# Altium PCB ESC_type_6_000.PcbDoc (part 1 of 3) (continued)
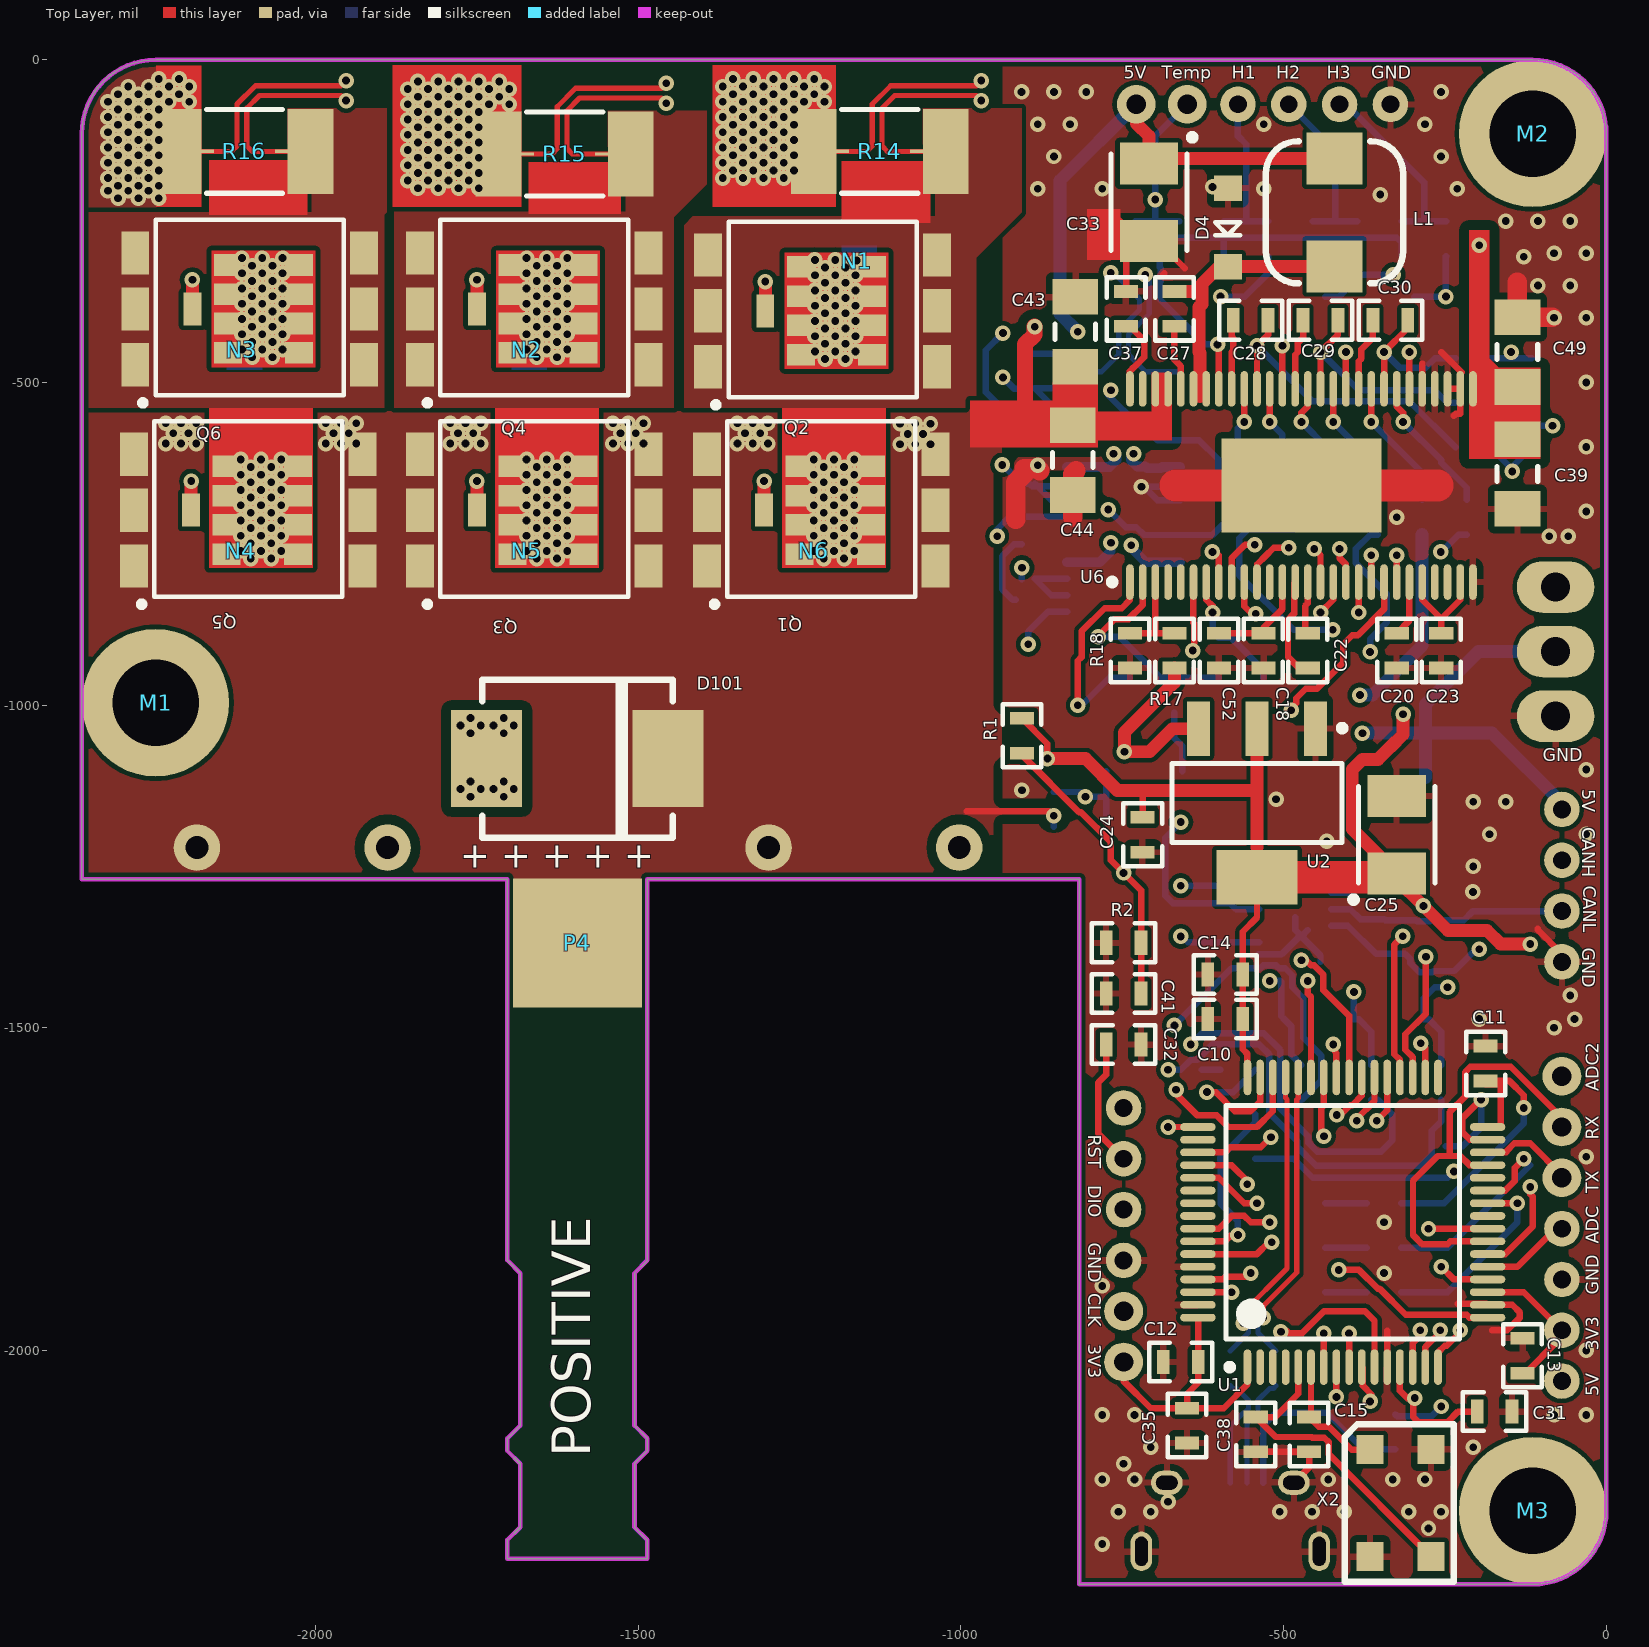
[diagram p0: Top Layer view]
## Design rules (kind name [scope] priority, off if disabled: settings)
Clearance Clearance_3 [InNet('H1_VS') or InNet('H2_VS') or InNet('H3_VS') vs InNet('VBATT')] p1: gap=10 ignorepadtopadclearanceinfootprint=FALSE except(0: Arc-Hole Track-Hole SMDPad-Hole THPad-Hole Via-Hole Fill-Hole Poly-Hole Region-Hole Text-Hole)
Clearance Clearance_2 [InNet('GND') vs InNet('VBATT')] p2: gap=15 ignorepadtopadclearanceinfootprint=FALSE except(0: Arc-Hole Track-Hole SMDPad-Hole THPad-Hole Via-Hole Fill-Hole Poly-Hole Region-Hole Text-Hole)
Clearance Clearance_1 [OnLayer('Keep-Out Layer') vs HasFootprint('PAD1')] p3: gap=0 ignorepadtopadclearanceinfootprint=FALSE
Clearance [All] p4: gap=7 ignorepadtopadclearanceinfootprint=FALSE except(0: Arc-Hole Track-Hole SMDPad-Hole THPad-Hole Via-Hole Fill-Hole Poly-Hole Region-Hole Text-Hole)
ComponentClearance [All] p1: gap=1 collisioncheckmode=3 verticalgap=1 showdistances=TRUE
DiffPairsRouting [All] p1: maxlimit=10 minlimit=7 mostfreqgap=7 toplayer_minwidth=8 toplayer_maxwidth=15 toplayer_prefwidth=8 midlayer1_minwidth=8 midlayer1_maxwidth=15 midlayer1_prefwidth=8 midlayer2_minwidth=8 midlayer2_maxwidth=15 midlayer2_prefwidth=8 bottomlayer_minwidth=8 bottomlayer_maxwidth=15 bottomlayer_prefwidth=8 maxuncoupledlength=500
HoleSize [All] p1: absolutevalues=TRUE maxlimit=300 minlimit=1 maxpercent=80.000 minpercent=20.000
HoleToHoleClearance [All] p1: gap=7 allowstackedmicrovias=TRUE
MinimumSolderMaskSliver [All] p1: minsoldermaskwidth=0.5
PolygonConnect PolygonConnect_1 [(HasFootprint('WSLP2726') OR HasFootprint('PAD1') OR HasFootprint('ALU CAP 16DIA 25HIGH') OR HasFootprint('RADIAL DIODE D5.3 L9.5'))  or isvia or HasFootprint('DSOP FET')         or HasFootprint('NET TIE 12MM VIA')] p1: connectstyle=Direct reliefconductorwidth=10 reliefentries=4 polygonreliefangle="90 Angle" airgapwidth=10
PolygonConnect "relief connection" [InNet('GND')] p2: connectstyle=Relief reliefconductorwidth=10 reliefentries=4 polygonreliefangle="90 Angle" airgapwidth=10
PolygonConnect [all or HasFootprintPad('SOP127P600-8N' ,57) or (InNamedPolygon('GND Source')) or isvia or HasFootprint('DIRECTFET_1')] p3: connectstyle=Direct reliefconductorwidth=10 reliefentries=4 polygonreliefangle="90 Angle" airgapwidth=10
RoutingVias [All] p1: holewidth=28 width=50 viastyle="Through Hole" minholewidth=12 minwidth=24 maxholewidth=28 maxwidth=50
ShortCircuit ShortCircuit_1 [All vs InNet('H2_VS') And OnLayer('Bottom Layer')] p2: allowed=TRUE
SilkToSilkClearance [All] p1: silktosilkclearance=0
SilkToSolderMaskClearance [IsPad] p1: minsilkscreentomaskgap=0 clearancetoexposedcopper=TRUE
SolderMaskExpansion [All] p1: expansion=4
Width [All] p1: maxlimit=50 minlimit=10 preferedwidth=20
23 further rules are at their usual default settings.

## Classes and differential pairs
component class Sheet1: C2 C3 C100 C101 D1 D2 D3 D101 K1 M1 M2 M3 P1 P3 P4 P5 P101 R3 R4 R5 R6 R22 R37 R38 R103 R104 X1B
component class "Power Mosfet": C1 C8 C9 C26 C34 C36 C102 C103 C104 C105 C106 C107 C? N1 N2 N3 P6 P7 P9 Q1 Q2 Q3 Q4 Q5 Q6 R14 R15 R16 R25 R28 R29 R30 R31 R34 R35 R42 R43 U3 U4 U5 U?
component class "NTC temp sensor": C41 R1 R2
component class "MOSFET DRIVER": C18 C19 C20 C21 C22 C23 C24 C25 C27 C28 C29 C30 C33 C37 C39 C43 C44 C49 C52 D4 D5 L1 R17 R18 R19 R20 R21 R23 R24 R26 R27 R32 R33 U2 U6
component class MCU: C10 C11 C12 C13 C14 C15 C16 C17 C31 C32 C35 C38 P2 U1 X2
component class "Hall Filter": C4 C5 C6 C7 R7 R8 R9 R10 R11 R12 R13
component class "CAN Bus": C401 C402 R36 U401
differential pair USB: +USB_P -USB_N
differential pair USB_D: +USB_D_P -USB_D_N
differential pair SH_A: +SH_A_P -SH_A_N
differential pair SH_B: +SH_B_P -SH_B_N
differential pair SH_C: +SH_C_P -SH_C_N

## Components (designator, comment, footprint, x,y, rotation, side; value= is the part's Value field where it differs from the comment)
C1 "CAP" "SMD-0603 Capacitor" -472.44,-1486.22 r180 bottom value="4.7nF, 50V"
C2 "Voltage important" "SMD-0603 Capacitor" -748.02,-1102.37 r0 bottom value="100nF, 50V"
C3 "Voltage important" "SMD-0603 Capacitor" -570.87,-1633.86 r0 bottom value="100nF, 50V"
C4 "CAP" "SMD-0603 Capacitor" -661.42,-277 r90 bottom value="4.7nF, 50V"
C5 "CAP" "SMD-0603 Capacitor" -324.8,-366.7 r0 bottom value="4.7nF, 50V"
C6 "CAP" "SMD-0603 Capacitor" -462.6,-366.7 r0 bottom value="4.7nF, 50V"
C7 "CAP" "SMD-0603 Capacitor" -600.39,-366.7 r0 bottom value="4.7nF, 50V"
C8 "CAP" "SMD-0603 Capacitor" -255.91,-1486.22 r180 bottom value="4.7nF, 50V"
C9 "CAP" "SMD-0603 Capacitor" -364.17,-1486.22 r180 bottom value="4.7nF, 50V"
C10 "Voltage important" "SMD-0603 Capacitor" -590.55,-1486.22 r0 top value="2.2uF, 16V"
C11 "Voltage important" "SMD-0603 Capacitor" -187.01,-1555.12 r270 top value="2.2uF, 16V"
C12 "Voltage important" "SMD-0603 Capacitor" -659.45,-2017.72 r0 top value="2.2uF, 16V"
C13 "Voltage important" "SMD-0603 Capacitor" -129.92,-2007.87 r270 top value="2.2uF, 16V"
C14 "Voltage important" "SMD-0603 Capacitor" -590.55,-1417.32 r0 top value="2.2uF, 16V"
C15 "CAP" "SMD-0603 Capacitor" -460.63,-2129.92 r90 top value="15pF, 100V"
C16 "Voltage important" "SMD-0603 Capacitor" -275.59,-1683.07 r0 bottom value="2.2uF, 16V"
C17 "Voltage important" "SMD-0603 Capacitor" -570.87,-1564.96 r0 bottom value="2.2uF, 16V"
C18 "CAP" "SMD-0603 Capacitor" -531.5,-915.35 r270 top value="4.7uF, 16V"
C19 "CAP" "SMD-0603 Capacitor" -600.39,-984.25 r90 bottom value="120pF, 50V"
C20 "CAP" "SMD-0603 Capacitor" -324.8,-915.35 r90 top value="4.7uF, 16V"
C21 "CAP" "SMD-0603 Capacitor" -629.92,-1102.36 r180 bottom value="6.8nF, 50V"
C22 "CAP" "SMD-0603 Capacitor" -462.6,-915.35 r90 top value="22nF, 50V"
C23 "Voltage important" "SMD-0603 Capacitor" -255.91,-915.35 r90 top value="2.2uF, 16V"
C24 "Voltage important" "SMD-0603 Capacitor" -718.5,-1200.79 r90 top value="2.2uF, 16V"
C25 "Voltage important" "TANT B" -324.8,-1200.79 r90 top value="100uF, 6.3V"
C26 "Voltage important" "SMD-0603 Capacitor" -905.51,-629.92 r270 bottom value="2.2uF, 16V"
C27 "Voltage important" "SMD-0603 Capacitor" -669.29,-385.83 r90 top value="100nF, 50V"
C28 "Voltage important" "SMD-0603 Capacitor" -551.18,-403.54 r0 top value=220nF,25V
C29 "Voltage important" "SMD-0603 Capacitor" -442.91,-403.54 r0 top value=220nF,25V
C30 "Voltage important" "SMD-0603 Capacitor" -334.65,-403.54 r0 top value=220nF,25V
C31 "Voltage important" "SMD-0603 Capacitor" -173.23,-2094.49 r180 top value="2.2uF, 16V"
C32 "Voltage important" "SMD-0603 Capacitor" -748.03,-1525.59 r180 top value="100nF, 50V"
C33 "Voltage important" "TANT B" -708.66,-220.47 r270 top value="100uF, 6.3V"
C34 "Voltage important" "SMD-0603 Capacitor" -905.51,-482.28 r270 bottom value="2.2uF, 16V"
C35 "Voltage important" "SMD-0603 Capacitor" -649.61,-2116.14 r90 top value="2.2uF, 16V"
C36 "Voltage important" "SMD-0603 Capacitor" -905.51,-777.56 r270 bottom value="2.2uF, 16V"
C37 "CAP" "SMD-0603 Capacitor" -744.09,-385.83 r270 top value="22nF, 50V"
C38 "CAP" "SMD-0603 Capacitor" -543.31,-2129.92 r270 top value="15pF, 100V"
C39 "CAP" "SMD-1206 Capacitor" -137.8,-641.73 r270 top value="4.7uF, 100V"
C41 "Voltage important" "SMD-0603 Capacitor" -748.03,-1446.85 r0 top value="2.2uF, 16V"
C43 "CAP" "SMD-1206 Capacitor" -822.83,-421.26 r270 top value="4.7uF, 100V"
C44 "CAP" "SMD-1206 Capacitor" -826.77,-620.08 r90 top value="4.7uF, 100V"
C49 "CAP" "SMD-1206 Capacitor" -137.8,-452.76 r90 top value="4.7uF, 100V"
C52 "Voltage important" "SMD-0603 Capacitor" -600.39,-915.35 r90 top value="2.2uF, 16V"
C100 "CAP_POL" "ALU CAP 16DIA 25HIGH" -1150.39,-1220.47 r0 bottom value="680uF, 63V"
C101 "CAP_POL" "ALU CAP 16DIA 25HIGH" -2036.22,-1220.47 r0 bottom value="680uF, 63V"
C102 "CAP" "SMD-1206 Capacitor" -1070.87,-524.61 r90 bottom value="4.7uF, 100V"
C103 "CAP" "SMD-1206 Capacitor" -2208.66,-523.62 r90 bottom value="4.7uF, 100V"
C104 "CAP" "SMD-1206 Capacitor" -1515.75,-523.62 r270 bottom value="4.7uF, 100V"
C105 "CAP" "SMD-1206 Capacitor" -1322.83,-523.62 r270 bottom value="4.7uF, 100V"
C106 "CAP" "SMD-1206 Capacitor" -1767.72,-523.62 r90 bottom value="4.7uF, 100V"
C107 "CAP" "SMD-1206 Capacitor" -1960.63,-523.62 r90 bottom value="4.7uF, 100V"
C401 "Voltage important" "SMD-0603 Capacitor" -620.08,-1279.53 r270 bottom value="2.2uF, 16V"
C402 "Voltage important" "SMD-0603 Capacitor" -344.49,-1250 r270 bottom value="2.2uF, 16V"
D1 "LED_GREEN" "SMD-0603 LED GREEN" -462.6,-1909.46 r180 bottom
D2 "LED_RED" "SMD-0603 LED RED" -462.6,-1840.56 r180 bottom
D3 "LED_BLUE" "SMD-0603 LED BLUE" -462.6,-1771.66 r180 bottom
D4 "Voltage and current important" SOD-123W -586.61,-259.84 r90 top
D5 "D_TVS" DO-214AC -354.33,-1112.2 r180 bottom value=5V
D101 "D_TVS_1" SMC-403-03 -1594.49,-1082.68 r180 top value=51V
K1 "-" "HEADER 3 PIN" -78.74,-816.93 r270 bottom
L1 "COIL" HCM0503 -421.26,-236.22 r90 top value=22µH
M1 "M3 Socket head Mounting Point" "M3 Socket head" -2248.03,-996.06 r0 top value=M3
M2 "M3 Socket head Mounting Point" "M3 Socket head" -114.17,-114.17 r0 top value=M3
M3 "M3 Socket head Mounting Point" "M3 Socket head" -114.17,-2248.03 r0 top value=M3
N1 "-" "NET TIE 12MM VIA" -1161.42,-311.02 r0 top net-tie
N2 "-" "NET TIE 12MM VIA" -1673.23,-448.82 r0 top net-tie
N3 "-" "NET TIE 12MM VIA" -2114.17,-448.82 r0 top net-tie
N4 "-" "NET TIE 12MM VIA" -2116.14,-760.83 r0 top net-tie
N5 "-" "NET TIE 12MM VIA" -1673.23,-760.83 r0 top net-tie
N6 "-" "NET TIE 12MM VIA" -1228.35,-760.83 r0 top net-tie
P1 "B6B-PH-K-S(LF)(SN)" "JST PH TH VERT 6" -334.64,-68.89 r0 bottom value="JST PH 6 PIN"
P2 "#NAME?" "JST PH TH VERT 6" -748.03,-1624.02 r90 bottom value="JST PH 6 PIN"
P3 "B7B-PH-K-S(LF)(SN)" "JST PH TH VERT 7" -68.9,-2047.24 r270 bottom value="JST PH 4 PIN"
P4 "-" PAD1 -1594.49,-1368.11 r90 top
P5 "-" PAD1 -1594.49,-1368.11 r90 bottom
P6 "-" PAD1 -2145.67,-108.27 r270 bottom
P7 "-" PAD1 -1653.54,-108.27 r180 bottom
P9 "-" PAD1 -1161.42,-108.27 r270 bottom
P101 "B4B-PH-K-S(LF)(SN)" "JST PH TH VERT 4" -68.9,-1397.64 r270 bottom value="JST PH 4 PIN"
Q1 "MOSFET_N" DIRECTFET_1 -1216.54,-697.83 r0 top
Q2 "MOSFET_N" DIRECTFET_1 -1214.57,-388.78 r0 top
Q3 "MOSFET_N" DIRECTFET_1 -1661.42,-697.83 r0 top
Q4 "MOSFET_N" DIRECTFET_1 -1661.42,-385.83 r0 top
Q5 "MOSFET_N" DIRECTFET_1 -2104.33,-697.83 r0 top
Q6 "MOSFET_N" DIRECTFET_1 -2102.36,-385.83 r0 top
R1 "10K" "SMD-0603 Resistor" -905.51,-1047.24 r90 top
R2 "10k" "SMD-0603 Resistor" -748.03,-1368.11 r0 top
R3 "39k" "SMD-0603 Resistor" -856.3,-1161.42 r270 bottom
R4 "2.2k" "SMD-0603 Resistor" -748.02,-1181.11 r180 bottom
R5 "2.2k" "SMD-0603 Resistor" -570.87,-1702.76 r180 bottom
R6 "0" "SMD-0603 Resistor" -326.77,-2125.98 r90 bottom
R7 "10k" "SMD-0603 Resistor" -730.32,-277 r270 bottom
R8 "10k" "SMD-0603 Resistor" -523.62,-277 r90 bottom
R9 "10k" "SMD-0603 Resistor" -385.83,-277 r90 bottom
R10 "10k" "SMD-0603 Resistor" -248.03,-277 r90 bottom
R11 "2.2k" "SMD-0603 Resistor" -316.93,-277 r270 bottom
R12 "2.2k" "SMD-0603 Resistor" -454.72,-277 r270 bottom
R13 "2.2k" "SMD-0603 Resistor" -592.52,-277 r270 bottom
R14 "0.5m" "2512 SHUNT" -1125.98,-141.73 r180 top
R15 "0.5m" "2512 SHUNT" -1614.17,-145.67 r180 top
R16 "0.5m" "2512 SHUNT" -2110.24,-141.73 r180 top
R17 "18k" "SMD-0603 Resistor" -669.29,-915.35 r270 top
R18 "3.3k" "SMD-0603 Resistor" -738.19,-915.35 r90 top
R19 "15k" "SMD-0603 Resistor" -669.29,-984.25 r90 bottom
R20 "10k" "SMD-0603 Resistor" -531.5,-984.25 r90 bottom
R21 "220k" "SMD-0603 Resistor" -738.19,-984.25 r90 bottom
R22 "2.2k" "SMD-0603 Resistor" -344.49,-1771.66 r0 bottom
R23 "39k" "SMD-0603 Resistor" -206.69,-600.39 r180 bottom
R24 "2.2k" "SMD-0603 Resistor" -88.58,-600.39 r0 bottom
R25 "100" "SMD-0603 Resistor" -472.44,-1584.65 r270 bottom
R26 "39k" "SMD-0603 Resistor" -206.69,-531.5 r180 bottom
R27 "2.2k" "SMD-0603 Resistor" -88.58,-531.5 r0 bottom
R28 "4R7" "SMD-0603 Resistor" -570.87,-649.61 r270 bottom
R29 "4R7" "SMD-0603 Resistor" -501.97,-649.61 r270 bottom
R30 "100" "SMD-0603 Resistor" -364.17,-1584.65 r270 bottom
R31 "100" "SMD-0603 Resistor" -255.91,-1584.65 r270 bottom
R32 "39k" "SMD-0603 Resistor" -206.69,-462.6 r180 bottom
R33 "2.2k" "SMD-0603 Resistor" -88.58,-462.6 r0 bottom
R34 "4R7" "SMD-0603 Resistor" -433.07,-649.61 r270 bottom
R35 "4R7" "SMD-0603 Resistor" -354.33,-708.66 r270 bottom
R36 "220" "SMD-0603 Resistor" -344.49,-1358.27 r270 bottom
R37 "100" "SMD-0603 Resistor" -344.49,-1909.46 r0 bottom
R38 "100" "SMD-0603 Resistor" -344.49,-1840.56 r0 bottom
R42 "4R7" "SMD-0603 Resistor" -285.43,-708.66 r270 bottom
R43 "4R7" "SMD-0603 Resistor" -216.54,-708.66 r270 bottom
R103 "22R0" "SMD-0603 Resistor" -511.81,-2027.56 r90 bottom
R104 "22R0" "SMD-0603 Resistor" -582.68,-2027.56 r90 bottom
U1 "STM32F" TSQFP50P1200X1200X160-64 -408.46,-1801.18 r90 top
U2 "3.3V" SOT230P700X180-4N -541.34,-1151.57 r270 top
U3 "AD8418" MSOP-8 -748.03,-669.29 r180 bottom value="Current Sense"
U4 "AD8418" MSOP-8 -748.03,-521.65 r180 bottom value="Current Sense"
U5 "AD8418" MSOP-8 -748.03,-816.93 r180 bottom value="Current Sense"
U6 "DRV8301" SOP127P600-8N -472.44,-659.45 r90 top locked value="MOSFET Driver"
U401 "CAN_TRANS_1" HVSON8 -482.28,-1328.74 r0 bottom value=Transceiver
X1B "MINI_USB" "USB-MICRO B RA SMT-TH" -582.68,-2311.02 r180 bottom value=Micro-USB
X2 "OSC_1" "4-SMD CRYSTAL 5X3.2mm" -318.9,-2236.22 r270 top value=8Mhz

## Footprints (in the part's own frame and the unit in brackets; to place one, negate y for a bottom-side part, rotate by r counter-clockwise, add the part's x,y. Pads: shape width x height; smd on the part's side, far side on the other; paste and mask are expansions set on the pad)
"4-SMD CRYSTAL 5X3.2mm" [mil]
  rect 45x42 smd: 1(-82.68,-47.24) 2(82.68,-47.24) 3(82.68,47.24) 4(-82.68,47.24)
  silkscreen extent -122,-87 122,83, body extent -98,-63 98,63, height 39
"2512 SHUNT" [mm] "Chip Resistor, 2-Leads, Body 6.3x3.1mm, IPC Medium Density"
  rect 1.8x3.35 smd: 1(-2.6,0) 2(2.6,0)
  rect 1x0.127 smd: 3(-1.7,0) 4(1.7,0)
  silkscreen extent -1.5,-1.65 1.5,1.65, body extent -3.25,-1.53 3.1,1.52, height 0.83
"ALU CAP 16DIA 25HIGH" [mil]
  round 72 hole 35.43: 1(-147.64,0) 2(147.64,0)
  body extent -325,-59 324,1122, height 363
DIRECTFET_1 [mm]
  rect 1.1x1.7 smd: D(-4.5,-2.2) D(-4.5,0) D(-4.5,2.2) D(4.5,-2.2) D(4.5,0) D(4.5,2.2)
  rect 0.7x1.3 smd: G(-2.25,0)
  rect 1.1x0.85 smd: S(-0.85,-1.725) S(-0.85,-0.575) S(-0.85,0.575) S(-0.85,1.725) S(1.95,-1.725) S(1.95,-0.575) S(1.95,0.575) S(1.95,1.725)
  silkscreen extent -4.3,-3.8 3.7,3.5, body extent -4.57,-3.55 4.58,3.55, height 0.83
DO-214AC [mm]
  rect 2x1.65 smd: 1(-1.875,0) 2(1.875,0)
  silkscreen extent -3.68,-1.2 -3.43,-0.95, body extent -2.5,-1.35 2.5,1.35, height 2.2
HCM0503 [mm]
  rect 2.05x2.2 smd: 1(-2.125,0) 2(2.125,0)
  silkscreen extent -2.8,-2.7 2.8,2.7, body extent -2.62,-2.55 2.62,2.55, height 3
"HEADER 3 PIN" [mil]
  oval 80x120 / inner round 80 / far side oval 80x120 hole 45: 1(0,0)
  oval 80x120 hole 45: 2(100,0) 3(200,0)
  silkscreen extent -50,-60 250,55, body extent -50,-60 250,55, height 335
HVSON8 [mm] "SON, 8-Leads, Body 3.00x3.00mm, Pitch 0.65mm, Thermal Pad 2.40x1.59mm, IPC Medium Density"
  rect 0.85x0.25 smd: 1(-1.42,0.975) 2(-1.42,0.325) 3(-1.42,-0.325) 4(-1.42,-0.975) 5(1.42,-0.975) 6(1.42,-0.325) 7(1.42,0.325) 8(1.42,0.975)
  rect 1.59x2.4 smd: 9(0,0)
  silkscreen extent -2.15,-1.7 1.7,1.75, body extent -1.55,-1.55 1.55,1.55, height 1
"JST PH TH VERT 4" [mm]
  round 1.4 hole 0.7: 1(0,0) 2(-2,0) 3(-4,0) 4(-6,0)
  silkscreen extent -8,-1.5 1.9,2.7, body extent -8.05,-1.7 1.95,2.8, height 6
"JST PH TH VERT 6" [mm]
  round 1.524 hole 0.762: 1(-10,0) 2(-8,0)
  round 1.4 hole 0.7: 3(-6,0) 4(-4,0) 5(-2,0) 6(0,0)
  silkscreen extent -12,-1.5 1.9,2.7, body extent -12.05,-1.7 1.95,2.8, height 6
"JST PH TH VERT 7" [mm]
  round 1.4 hole 0.7: 1(0,0) 2(-2,0) 3(-4,0) 4(-6,0)
  round 1.524 hole 0.762: 5(-8,0) 6(-10,0) 7(-12,0)
  silkscreen extent -14,-1.5 1.9,2.7, body extent -14.05,-1.7 1.95,2.8, height 6
"M3 Socket head" [mm]
  round 5.8 hole 3.4: 1(0,0)
MSOP-8 [mm]
  oval 1.35x0.4 smd: 1(-2.225,0.975) 2(-2.225,0.325) 3(-2.225,-0.325) 4(-2.225,-0.975) 5(2.225,-0.975) 6(2.225,-0.325) 7(2.225,0.325) 8(2.225,0.975)
  silkscreen extent -2.35,-1.55 1.15,1.9, body extent -2.45,-1.5 2.45,1.5, height 1.15
"NET TIE 12MM VIA" [mil]
  round 24 hole 12: 1(0,0)
  round 24 smd paste+0: 2(0,0)
PAD1 [mil]
  rect 200x200 smd: 1(0,0)
SMC-403-03 [mil]
  rect 110x150 smd: A(140.5,0) K(-140.5,0)
  silkscreen extent -148,-126 148,126, body extent -150,-122 150,122, height 110
"SMD-0603 Capacitor" [mm]
  rect 0.5x0.95 smd: 1(-0.686,0) 2(0.686,0)
  silkscreen extent -1.24,-0.76 1.24,0.76, body extent -0.8,-0.39 0.8,0.41, height 0.86
"SMD-0603 LED BLUE" [mm]
  rect 0.5x0.95 smd: 1(-0.686,0) 2(0.686,0)
  silkscreen extent -1.24,-0.76 1.24,0.76, body extent -0.81,-0.4 0.81,0.4, height 0.6
"SMD-0603 LED GREEN" [mm]
  rect 0.5x0.95 smd: 1(-0.686,0) 2(0.686,0)
  silkscreen extent -1.24,-0.76 1.24,0.76, body extent -0.81,-0.4 0.81,0.4, height 0.6
"SMD-0603 LED RED" [mm]
  rect 0.5x0.95 smd: 1(-0.686,0) 2(0.686,0)
  silkscreen extent -1.24,-0.76 1.24,0.76, body extent -0.81,-0.4 0.81,0.4, height 0.6
"SMD-0603 Resistor" [mm]
  rect 0.5x0.95 smd: 1(-0.686,0) 2(0.686,0)
  silkscreen extent -1.24,-0.76 1.24,0.76, body extent -0.85,-0.39 0.85,0.41, height 0.56
"SMD-1206 Capacitor" [mm]
  rect 1.4x1.8 smd: 1(-1.375,0) 2(1.375,0)
  silkscreen extent -0.3,-0.8 0.3,0.8, body extent -1.6,-0.8 1.6,0.8, height 1
SOD-123W [mm] "SODFL, 2-Leads, Body 1.70x3.50mm, IPC Medium Density"
  rect 1x1.1 smd: 1(-1.55,0) 2(1.55,0)
  silkscreen extent -0.3,-0.5 0.2,0.5, body extent -1.85,-0.8 1.85,0.8, height 1.25
SOP127P600-8N [mm]
  oval 1.4x0.3 smd: 1(-3.8,6.75) 2(-3.8,6.25) 3(-3.8,5.75) 4(-3.8,5.25) 5(-3.8,4.75) 6(-3.8,4.25) 7(-3.8,3.75) 8(-3.8,3.25) 9(-3.8,2.75) 10(-3.8,2.25) 11(-3.8,1.75) 12(-3.8,1.25) 13(-3.8,0.75) 14(-3.8,0.25) 15(-3.8,-0.25) 16(-3.8,-0.75) 17(-3.8,-1.25) 18(-3.8,-1.75) 19(-3.8,-2.25) 20(-3.8,-2.75) 21(-3.8,-3.25) 22(-3.8,-3.75) 23(-3.8,-4.25) 24(-3.8,-4.75) 25(-3.8,-5.25) 26(-3.8,-5.75) 27(-3.8,-6.25) 28(-3.8,-6.75) 29(3.8,-6.75) 30(3.8,-6.25) 31(3.8,-5.75) 32(3.8,-5.25) 33(3.8,-4.75) 34(3.8,-4.25) 35(3.8,-3.75) 36(3.8,-3.25) 37(3.8,-2.75) 38(3.8,-2.25) 39(3.8,-1.75) 40(3.8,-1.25) 41(3.8,-0.75) 42(3.8,-0.25) 43(3.8,0.25) 44(3.8,0.75) 45(3.8,1.25) 46(3.8,1.75) 47(3.8,2.25) 48(3.8,2.75) 49(3.8,3.25) 50(3.8,3.75) 51(3.8,4.25) 52(3.8,4.75) 53(3.8,5.25) 54(3.8,5.75) 55(3.8,6.25) 56(3.8,6.75)
  rect 3.7x6.3 smd: 57(0,0)
  silkscreen extent -3.92,7.32 -3.68,7.57, body extent -4.1,-7 4.1,7, height 1.1
SOT230P700X180-4N [mm] "SOT223, 4-Leads, Body 6.50x7.00mm (avg), Pitch 2.30mm, IPC Medium Density"
  rect 2.15x0.9 smd: 1(-2.925,2.3) 2(-2.925,0) 3(-2.925,-2.3)
  rect 2.15x3.2 smd: 2(2.925,0)
  silkscreen extent -3.07,-3.35 1.55,3.48, body extent -3.48,-3.25 3.48,3.25, height 1.68
"TANT B" [mm] "Molded Capacitor, 2-Leads, Body 3.50x2.85mm, IPC Medium Density"
  rect 1.65x2.3 smd: 1(-1.525,0) 2(1.525,0)
  silkscreen extent -2.67,-1.5 1.9,1.82, body extent -1.64,-1.32 2.05,1.5, height 2.1
TSQFP50P1200X1200X160-64 [mm] "TSQFP, 64-Leads, Body 10.00x10.00mm, Pitch 0.50mm, IPC Medium Density"
  oval 1.4x0.3 smd: 1(-5.7,3.75) 2(-5.7,3.25) 3(-5.7,2.75) 4(-5.7,2.25) 5(-5.7,1.75) 6(-5.7,1.25) 7(-5.7,0.75) 8(-5.7,0.25) 9(-5.7,-0.25) 10(-5.7,-0.75) 11(-5.7,-1.25) 12(-5.7,-1.75) 13(-5.7,-2.25) 14(-5.7,-2.75) 15(-5.7,-3.25) 16(-5.7,-3.75) 33(5.7,-3.75) 34(5.7,-3.25) 35(5.7,-2.75) 36(5.7,-2.25) 37(5.7,-1.75) 38(5.7,-1.25) 39(5.7,-0.75) 40(5.7,-0.25) 41(5.7,0.25) 42(5.7,0.75) 43(5.7,1.25) 44(5.7,1.75) 45(5.7,2.25) 46(5.7,2.75) 47(5.7,3.25) 48(5.7,3.75)
  oval 0.3x1.4 smd: 17(-3.75,-5.7) 18(-3.25,-5.7) 19(-2.75,-5.7) 20(-2.25,-5.7) 21(-1.75,-5.7) 22(-1.25,-5.7) 23(-0.75,-5.7) 24(-0.25,-5.7) 25(0.25,-5.7) 26(0.75,-5.7) 27(1.25,-5.7) 28(1.75,-5.7) 29(2.25,-5.7) 30(2.75,-5.7) 31(3.25,-5.7) 32(3.75,-5.7) 49(3.75,5.7) 50(3.25,5.7) 51(2.75,5.7) 52(2.25,5.7) 53(1.75,5.7) 54(1.25,5.7) 55(0.75,5.7) 56(0.25,5.7) 57(-0.25,5.7) 58(-0.75,5.7) 59(-1.25,5.7) 60(-1.75,5.7) 61(-2.25,5.7) 62(-2.75,5.7) 63(-3.25,5.7) 64(-3.75,5.7)
  silkscreen extent -5.82,-4.6 4.6,4.6, body extent -6,-6 6,6, height 1.56
"USB-MICRO B RA SMT-TH" [mm]
  rect 0.4x1.35 smd: 1(-1.3,2.7) 2(-0.65,2.7) 3(0,2.7) 4(0.65,2.7) 5(1.3,2.7)
  oval 0.85x1.55 hole 0.5 slot 1.15 at 90 deg: 5(-3.5,0) 5(3.5,0)
  rect 1.1x1.55 smd: 5(-2.9,0) 5(2.9,0)
  oval 1.25x0.95 hole 0.55 slot 0.85 at 0 deg: 5(-2.5,2.7) 5(2.5,2.7)
  rect 1.5x1.55 smd: 5(-1.15,0) 5(1.15,0)
  silkscreen extent -4.1,-1.45 4.1,3.6, body extent -4.03,-2.7 4.02,2.88, height 2.75

## Part data
C1 C4 C5 C6 C7 C8 C9: library part 1, "CAP 4.7n, 50V, 0603", Manufacturer="Murata Electronics North America", Manufacturer Part Number=GRM39X472J50D, ID=1, Place (YES/NO)=YES
C2 C3 C27 C32: library part 7, "CAP 100n, 50V, 0603", Manufacturer="AVX Corporation", Manufacturer Part Number=06035C104JAT2A, ID=7, Place (YES/NO)=YES
C10 C11 C12 C13 C14 C16 C17 C23 C24 C26 C31 C34 C35 C36 C41 C52 C401 C402: library part 9, "CAP 2.2u, 16V, 0603", Manufacturer="TDK Corporation", Manufacturer Part Number=C1608X5R1C225M, ID=9, Place (YES/NO)=YES
C15 C38: library part 3, "CAP 15p, 100V, 0603", Manufacturer="Murata Electronics North America", Manufacturer Part Number=GRM1885C2A150JA01, ID=3, Place (YES/NO)=YES
C18 C20: library part 25, "CAP 4.7u, 16V, 0603", Manufacturer="TDK Corporation", Manufacturer Part Number=C1608X6S1C475K080AC, ID=25, Place (YES/NO)=YES
C19: library part 4, "CAP 120p, 50V, 0603", Manufacturer="Murata Electronics North America", Manufacturer Part Number=GRM39C121J50, ID=4, Place (YES/NO)=YES
C21: library part 5, "CAP 6.8n, 50V, 0603", Manufacturer="Murata Electronics North America", Manufacturer Part Number=GRM18R71H682KA01J, ID=5, Place (YES/NO)=YES
C22 C37: library part 6, "CAP 22n, 50V, 0603", Manufacturer="Murata Electronics North America", Manufacturer Part Number=GRM18F51H223ZA01D, ID=6, Place (YES/NO)=YES
C25 C33: library part 12, "CAP 100u, 6.3V", Manufacturer="AVX Corporation", Manufacturer Part Number=TPSB107K006R0400, ID=12, Place (YES/NO)=YES
C28 C29 C30: library part 8, "CAP 220n, 25V, 0603", Manufacturer="Taiyo Yuden", Manufacturer Part Number=TMK107B7224KA-T, ID=8, Place (YES/NO)=YES
C39 C43 C44 C49 C102 C103 C104 C105 C106 C107: library part 23, "4.7µF 100V Ceramic Capacitor X7S 1206", Manufacturer="AVX Corporation", Manufacturer Part Number=12061Z475MAT2A, ID=23, Place (YES/NO)=YES
C100 C101: library part 21, "680µF 63V Aluminum Capacitors Radial", Manufacturer=Nichicon, Manufacturer Part Number=UPW1J681MHD, ID=21, Place (YES/NO)=YES
D1: library part 1, "LED Green, 0603", Manufacturer="Lite-On Inc.", Manufacturer Part Number=LTST-C191KGKT, ID=1, Part Number=LTST-C191KGKT, Place (YES/NO)=YES
D2: library part 2, "LED Red, 0603", Manufacturer="Lite-On Inc.", Manufacturer Part Number=LTST-C191KRKT, ID=2, Part Number=LTST-C191KRKT, Place (YES/NO)=YES
D3: library part 3, "LED Blue, 0603", Manufacturer=OSRAM, Manufacturer Part Number=LBQ39GN1P1351, ID=3, Part Number=LBQ39GN1P1351, Place (YES/NO)=YES
D4: library part 4, "Shottky 60V 2A", Manufacturer="NXP Semiconductors", Manufacturer Part Number=PMEG6020ER-115, ID=4, Place (YES/NO)=YES
D5: library part 5, "TVS diode 5V", Manufacturer="Littelfuse Inc.", Manufacturer Part Number=SMAJ5.0A, ID=5, Place (YES/NO)=YES
D101: library part 16, "TVS DIODE 51VWM 82.4VC SMC", Manufacturer="ON Semiconductor", Manufacturer Part Number=SMCJ51A, ID=16, Place (YES/NO)=YES
K1: library part 6, "Breakaway 3 pin Through hole", ID=6, Manufacturer=-, Manufacturer Part Number=-, Place (YES/NO)=YES
L1: library part 7, "FIXED IND 22UH 1.9A 270 MOHM SMD", Manufacturer=Eaton, Manufacturer Part Number=HCM0503-220-R, ID=7, Place (YES/NO)=YES
M1 M2 M3: library part 1, ID=1, Place (YES/NO)=yes
N1 N2 N3 N4 N5 N6: library part 3, ID=3, Manufacturer=-, Manufacturer Part Number=-, Place (YES/NO)=-
P1: library part 3, "JST PH Through hole Vertical 6 Pin", Manufacturer=JST, ID=3, Manufacturer Part Number=B6B-PH-K-S(LF)(SN), Place (YES/NO)=YES
P2: library part 3, "JST PH Through hole Vertical 6 Pin", Manufacturer=JST, Manufacturer Part Number=B6B-PH-K-S(LF)(SN), ID=3, Place (YES/NO)=YES
P3: library part 4, "JST PH Through hole Vertical 7 Pin", Manufacturer=JST, ID=4, Manufacturer Part Number=B7B-PH-K-S(LF)(SN), Place (YES/NO)=YES
P4 P5 P6 P7 P9: library part 1, "SMD Power landing", ID=1, Manufacturer=-, Manufacturer Part Number=-, Place (YES/NO)=-
P101: library part 2, "JST PH Through hole Vertical 4 Pin", Manufacturer=JST, ID=2, Manufacturer Part Number=B4B-PH-K-S(LF)(SN), Place (YES/NO)=YES
Q1 Q2 Q3 Q4 Q5 Q6: library part 10, "MOSFET N-CH 60V 200A DIRECTFETL8", Manufacturer="Infineon Technologies Americas Corp", Manufacturer Part Number=IRF7749L1TRPBF, ID=10, Place (YES/NO)=YES
R1: library part 15, "NTC resistor (temp sensor)", Manufacturer="Murata Electronics North America", Manufacturer Part Number=NCP18XH103F03RB, ID=15, Place (YES/NO)=YES
R2 R7 R8 R9 R10 R20: library part 5, "R 10k, 0603", Manufacturer="KOA Speer", Manufacturer Part Number=RK73H1JTTD1002F, ID=5, Place (YES/NO)=YES
R3 R23 R26 R32: library part 8, "R 39k, 0603", Manufacturer="Panasonic Electronic Components", Manufacturer Part Number=ERJ-3EKF3902V, ID=8, Place (YES/NO)=YES
R4 R5 R11 R12 R13 R22 R24 R27 R33: library part 3, "R 2.2k, 0603", Manufacturer="KOA Speer", Manufacturer Part Number=RK73H1JTTD2201F, ID=3, Place (YES/NO)=YES
R6: library part 16, "R 0 ohm, 0603", Manufacturer="KOA Speer", ID=16, Place (YES/NO)="NOT PLACED"
R14 R15 R16: library part 28, "RES SMD 500 UOHM 1% 6W 2512", Manufacturer=Bourn, Manufacturer Part Number=CSS2H-2512R-L500FE, ID=28, Place (YES/NO)=YES
R17: library part 7, "R 18k, 0603", Manufacturer="KOA Speer", Manufacturer Part Number=RK73H1JTTD1802F, ID=7, Place (YES/NO)=YES
R18: library part 4, "R 3.3k, 0603", Manufacturer="KOA Speer", Manufacturer Part Number=RK73H1JTTD3301F, ID=4, Place (YES/NO)=YES
R19: library part 6, "R 15k, 0603", Manufacturer="KOA Speer", Manufacturer Part Number=RK73H1JTTD1502F, ID=6, Place (YES/NO)=YES
R21: library part 9, "R 220k, 0603", Manufacturer="KOA Speer", Manufacturer Part Number=RK73H1JTTD2203F, ID=9, Place (YES/NO)=YES
R25 R30 R31 R37 R38: library part 2, "R 100ohm, 0603", Manufacturer="KOA Speer", Manufacturer Part Number=RK73H1JTTD1000F, ID=2, Place (YES/NO)=YES
R28 R29 R34 R35 R42 R43: library part 1, "R 4.7ohm, 0603", Manufacturer="KOA Speer", Manufacturer Part Number=RK73H1JTTD4R70F, ID=1, Place (YES/NO)=YES
R36: library part 386, "RES SMD 220 OHM 1% 1/10W 0603", Manufacturer="Panasonic Electronic Components", Manufacturer Part Number=ERJ-3EKF2200V, ID=386, Place (YES/NO)=YES
R103 R104: library part 12, "R 22R, 0603", Manufacturer="KOA Speer", Manufacturer Part Number=RK73H1JTTD22R0F, ID=12, Place (YES/NO)=YES
U1: library part 4, "IC MCU 32BIT 1MB FLASH 64LQFP", Manufacturer=STMicroelectronics, Manufacturer Part Number=STM32F405RGT6, ID=4, Place (YES/NO)=YES
U2: library part 3, "VREG LDO", Manufacturer="Diodes Incorporated", Manufacturer Part Number=AP2114H-3.3TRG1, ID=3, Place (YES/NO)=YES
U3 U4 U5: library part 19, "IC OPAMP CURR SENSE 8MSOP", Manufacturer="Analog Devices Inc.", Manufacturer Part Number=AD8418AWHRMZ, ID=19, Place (YES/NO)=YES
U6: library part 21, "IC MOTOR CONTROLLER SPI 56HTSSOP", Manufacturer="Texas Instruments", Manufacturer Part Number=DRV8301DCA, ID=21, Place (YES/NO)=YES
U401: library part 20, "IC CAN TRANSEIVER HS 8HVSON", Manufacturer="NXP USA Inc.", Manufacturer Part Number=TJA1051TK/3,118, ID=20, Place (YES/NO)=YES
X1B: library part 39, "CONN USB MICRO B RECPT SMT R/A TH", Manufacturer="Amphenol FCI", Manufacturer Part Number=10118194-0001LF, ID=39, Place (YES/NO)=YES
X2: library part 1, "Crystal 8MHz, 10PPM", Manufacturer="Abracon LLC", Manufacturer Part Number=ABM3B-8.0-10-1UT, ID=1, Place (YES/NO)=YES

## Via types
v1: diameter 24, hole 12, Top Layer to Bottom Layer, tented both sides, 654 vias

## Nets (pads, with @x,y where several pads share a name; then routed paths per layer and width w, separated by ;. In a path a pad name is that pad's centre, name@x,y a point inside that pad or via, vN(x,y) a via of type N, cw(c..) or ccw(c..) an arc to the next point about the centre after c; other vN are vias at no path point)
3V3: C10.2 C11.2 C12.2 C13.2 C14.2 C24.2 C25.1 C26.2 C31.2 C34.2 C35.2 C36.2 C402.2 P2.1 P3.2 R1.2 R7.2 R11.2 R12.2 R13.2 R22.2 U1.1 U1.13 U1.19 U1.32 U1.48 U1.64 U2.2 U3.6 U3.7 U4.6 U4.7 U5.6 U5.7 U6.49 U401.5 | length 7498.1
  Top Layer w10: R1.2@-905.51,-1020.24 -866.14,-1059.62 v1(-866.14,-1082.67) ; P2.1@-748.03,-2017.72 -748.03,-2047.24 -706.13,-2089.14 C35.2@-649.61,-2089.14 ; C24.2@-718.5,-1173.79 -718.5,-1131.89 ; U1.64@-632.87,-1948.82 -632.45,-1949.24 C12.2@-632.45,-2017.72 -632.45,-2049.77 -649.61,-2066.93 C35.2@-649.61,-2089.14 ; v1(-602.36,-440.94) -600.39,-442.91 U6.49@-600.39,-509.84 ; U1.1@-556.1,-2025.59 -556.1,-2052.17 -593.08,-2089.14 C35.2@-649.61,-2089.14 ; U1.48@-556.1,-1576.77 -556.1,-1540.35 -563.55,-1532.91 C10.2@-563.55,-1486.22 C14.2@-563.55,-1417.32 -563.55,-1350.95 -541.34,-1328.74 U2.2@-541.34,-1266.73 ; U1.13@-319.88,-2025.59 -319.88,-2062.01 -308.3,-2073.59 v1@-299.48,-2073.59 ; C31.2@-200.23,-2094.49 -229.84,-2094.49 -245.96,-2110.61 -291.52,-2110.61 -299.48,-2102.66 v1@-299.48,-2073.59 ; U1.19@-184.06,-1909.45 -127.95,-1909.45 P3.2@-68.9,-1968.5 -74.8,-1968.5 -74.8,-1984.25 -125.43,-2034.87 C13.2@-129.92,-2034.87 ; U1.32@-184.06,-1653.54 -184.96,-1652.64 -163.31,-1652.64 -163.31,-1586.96 -187.01,-1586.96 C11.2@-187.01,-1582.12 -150.17,-1582.12 -127.95,-1604.33 v1(-127.95,-1624.02) ; v1@-299.48,-2073.59 v1(-296.75,-2073.59) -299.48,-2070.87 v1@-299.48,-2073.59
  Top Layer w20: v1(-866.14,-1082.67) -807.09,-1082.67 -757.87,-1131.89 -718.5,-1131.89 -541.34,-1131.89 ; -541.34,-1220.47 -541.34,-1131.89 ; U2.2@-541.34,-1036.42 -541.34,-1131.89 ; v1(-314.96,-1013.78) -314.96,-1045.21 -334.19,-1064.43 -334.45,-1064.43 -354.13,-1084.12 -378.15,-1084.12 -393.7,-1099.66 -393.7,-1191.93 C25.1@-324.8,-1260.83 -324.8,-1269.69 v1(-283.46,-1311.02) -245.54,-1348.95 -184.84,-1348.95 -163.71,-1370.08 v1(-118.11,-1370.08)
  Top Layer w50: U2.2@-541.34,-1266.73 -330.71,-1266.73 C25.1@-324.8,-1260.83
  Signal Layer 1 w10: v1(-935.04,-492.13) -935.04,-626.5 v1(-936.19,-627.65) -936.19,-696.54 -967.9,-728.25 -967.9,-748.13 -936.2,-779.83 -912.51,-779.83 v1(-905.51,-786.83) ; v1(-296.75,-2073.59) -295.9,-2074.44 v1@-295.9,-2077.4
  Signal Layer 1 w20: v1(-905.51,-786.83) -925.2,-806.51 -925.2,-1023.62 v1(-866.14,-1082.67) ; v1(-602.36,-440.94) -602.36,-560.7 -573.04,-590.02 -384.39,-590.02 -286.14,-688.27 -286.14,-981.11 -314.96,-1009.93 v1(-314.96,-1013.78) ; v1@-295.9,-2077.4 -216.01,-1997.5 -214.37,-1997.5 -185.37,-1968.5 P3.2@-68.9,-1968.5
  Signal Layer 2 w20: P2.1@-748.03,-2017.72 -600.39,-2165.35 -388.52,-2165.35 -307.45,-2084.29 ; v1(-118.11,-1370.08) -118.11,-1614.17 -166.8,-1662.86 -166.8,-1783.67 -127.95,-1822.51 -127.95,-1909.45 P3.2@-68.9,-1968.5
  Bottom Layer w10: v1(-936.19,-627.65) -934.78,-627.65 C26.2@-905.51,-656.92 -905.09,-656.5 -894.01,-656.5 -889.86,-660.64 -881.68,-660.64 ; v1(-935.04,-492.13) -917.88,-509.28 C34.2@-905.51,-509.28 ; C36.2@-905.51,-804.56 v1(-905.51,-786.83) ; -885.4,-656.92 -881.68,-660.64 ; U5.6@-835.63,-829.72 -860.24,-829.72 -885.83,-804.13 U5.7@-835.63,-804.13 ; U3.6@-835.63,-682.09 -860.24,-682.09 -881.68,-660.64 ; U3.7@-835.63,-656.5 -839.78,-660.64 -881.68,-660.64 ; U4.6@-835.63,-534.45 -860.24,-534.45 -885.83,-508.86 U4.7@-835.63,-508.86 ; R7.2@-730.32,-304 -701.91,-275.59 -688.98,-275.59 ; v1(-602.36,-440.94) -622.05,-440.94 -692.12,-370.87 -692.12,-344.24 -690.67,-342.78 -690.67,-322.9 -692.12,-321.45 -692.12,-286.04 -688.98,-282.9 -688.98,-275.59 ; R13.2@-592.52,-304 -592.52,-277.56 -590.55,-275.59 ; R12.2@-454.72,-304 -454.72,-277.56 -452.76,-275.59 ; U401.5@-426.38,-1290.35 -394.69,-1290.35 -381.33,-1277 C402.2@-344.49,-1277 -317.49,-1277 v1(-283.46,-1311.02) ; R22.2@-317.49,-1771.66 -251.5,-1771.66 -127.95,-1648.11 v1(-127.95,-1624.02) ; R11.2@-316.93,-304 -316.93,-283.46 -324.8,-275.59 -452.76,-275.59 ; -688.98,-275.59 -590.55,-275.59 ; -590.55,-275.59 -452.76,-275.59
5V0: C33.1 C401.2 D5.1 K1.2 L1.2 P1.1 P3.1 P101.4 R6.2 R17.2 U2.3 U401.3 | length 4614.6
  Top Layer w20: P1.1@-728.34,-68.89 -728.34,-98.42 -708.66,-118.1 C33.1@-708.66,-152.56 ; R17.2@-669.29,-942.35 -669.29,-964.57 -746.77,-1042.05 v1(-746.77,-1072.12) -707.95,-1072.12 -672.24,-1036.42 U2.3@-631.89,-1036.42 ; L1.2@-459.65,-152.56 C33.1@-708.66,-152.56 ; C33.1@-708.66,-152.56 C33.1@-708.66,-160.43 -708.66,-178.15 -734.25,-152.56 C33.1@-708.66,-152.56
  Signal Layer 1 w10: v1(-746.77,-1072.12) -747.32,-1072.12 -757.87,-1082.68 v1(-659.45,-1181.1) ; v1(-255.91,-2086.61) -216.54,-2047.24 P3.1@-68.9,-2047.24
  Signal Layer 1 w20: v1(-818.9,-421.26) -807.09,-433.07 -807.09,-458.9 -798.62,-467.37 -798.62,-681.08 -801.34,-683.8 -801.34,-736.34 -798.62,-739.06 -798.62,-786.03 -746.77,-837.87 v1(-746.77,-1072.12)
  Signal Layer 2 w20: v1(-746.77,-1072.12) -694.41,-1072.12 -692.48,-1074.05 -564.21,-1074.05 -554.03,-1063.87 -398.52,-1063.87 v1(-377.95,-1043.31) ; P3.1@-68.9,-2047.24 -166.8,-1949.35 -166.8,-1839.89 -193.8,-1812.89 -193.8,-1651.67 -156.95,-1614.83 -156.95,-1404.59 -150.85,-1398.49 -150.85,-1358.9 -156.95,-1352.79 -156.95,-1249.47 P101.4@-68.9,-1161.42
  Bottom Layer w10: v1(-659.45,-1181.1) -683.45,-1205.1 -683.45,-1294.9 -671.82,-1306.53 C401.2@-620.08,-1306.53 -583.24,-1306.53 -573.82,-1315.94 U401.3@-538.19,-1315.94 ; R6.2@-326.77,-2098.98 -324.36,-2101.4 -270.69,-2101.4 v1(-255.91,-2086.61)
  Bottom Layer w20: v1(-818.9,-421.26) -846.46,-393.7 -846.46,-187.01 P1.1@-728.34,-68.89 ; v1(-377.95,-1043.31) -280.51,-1043.31 ; D5.1@-280.51,-1112.2 -280.51,-1043.31 ; -280.51,-1039.37 -280.51,-999.02 -198.43,-916.93 K1.2@-78.74,-916.93 ; P101.4@-68.9,-1161.42 -68.9,-1151.57 -177.17,-1043.31 -280.51,-1043.31